# KiCad board gk-pcbv3.kicad_pcb (continued)
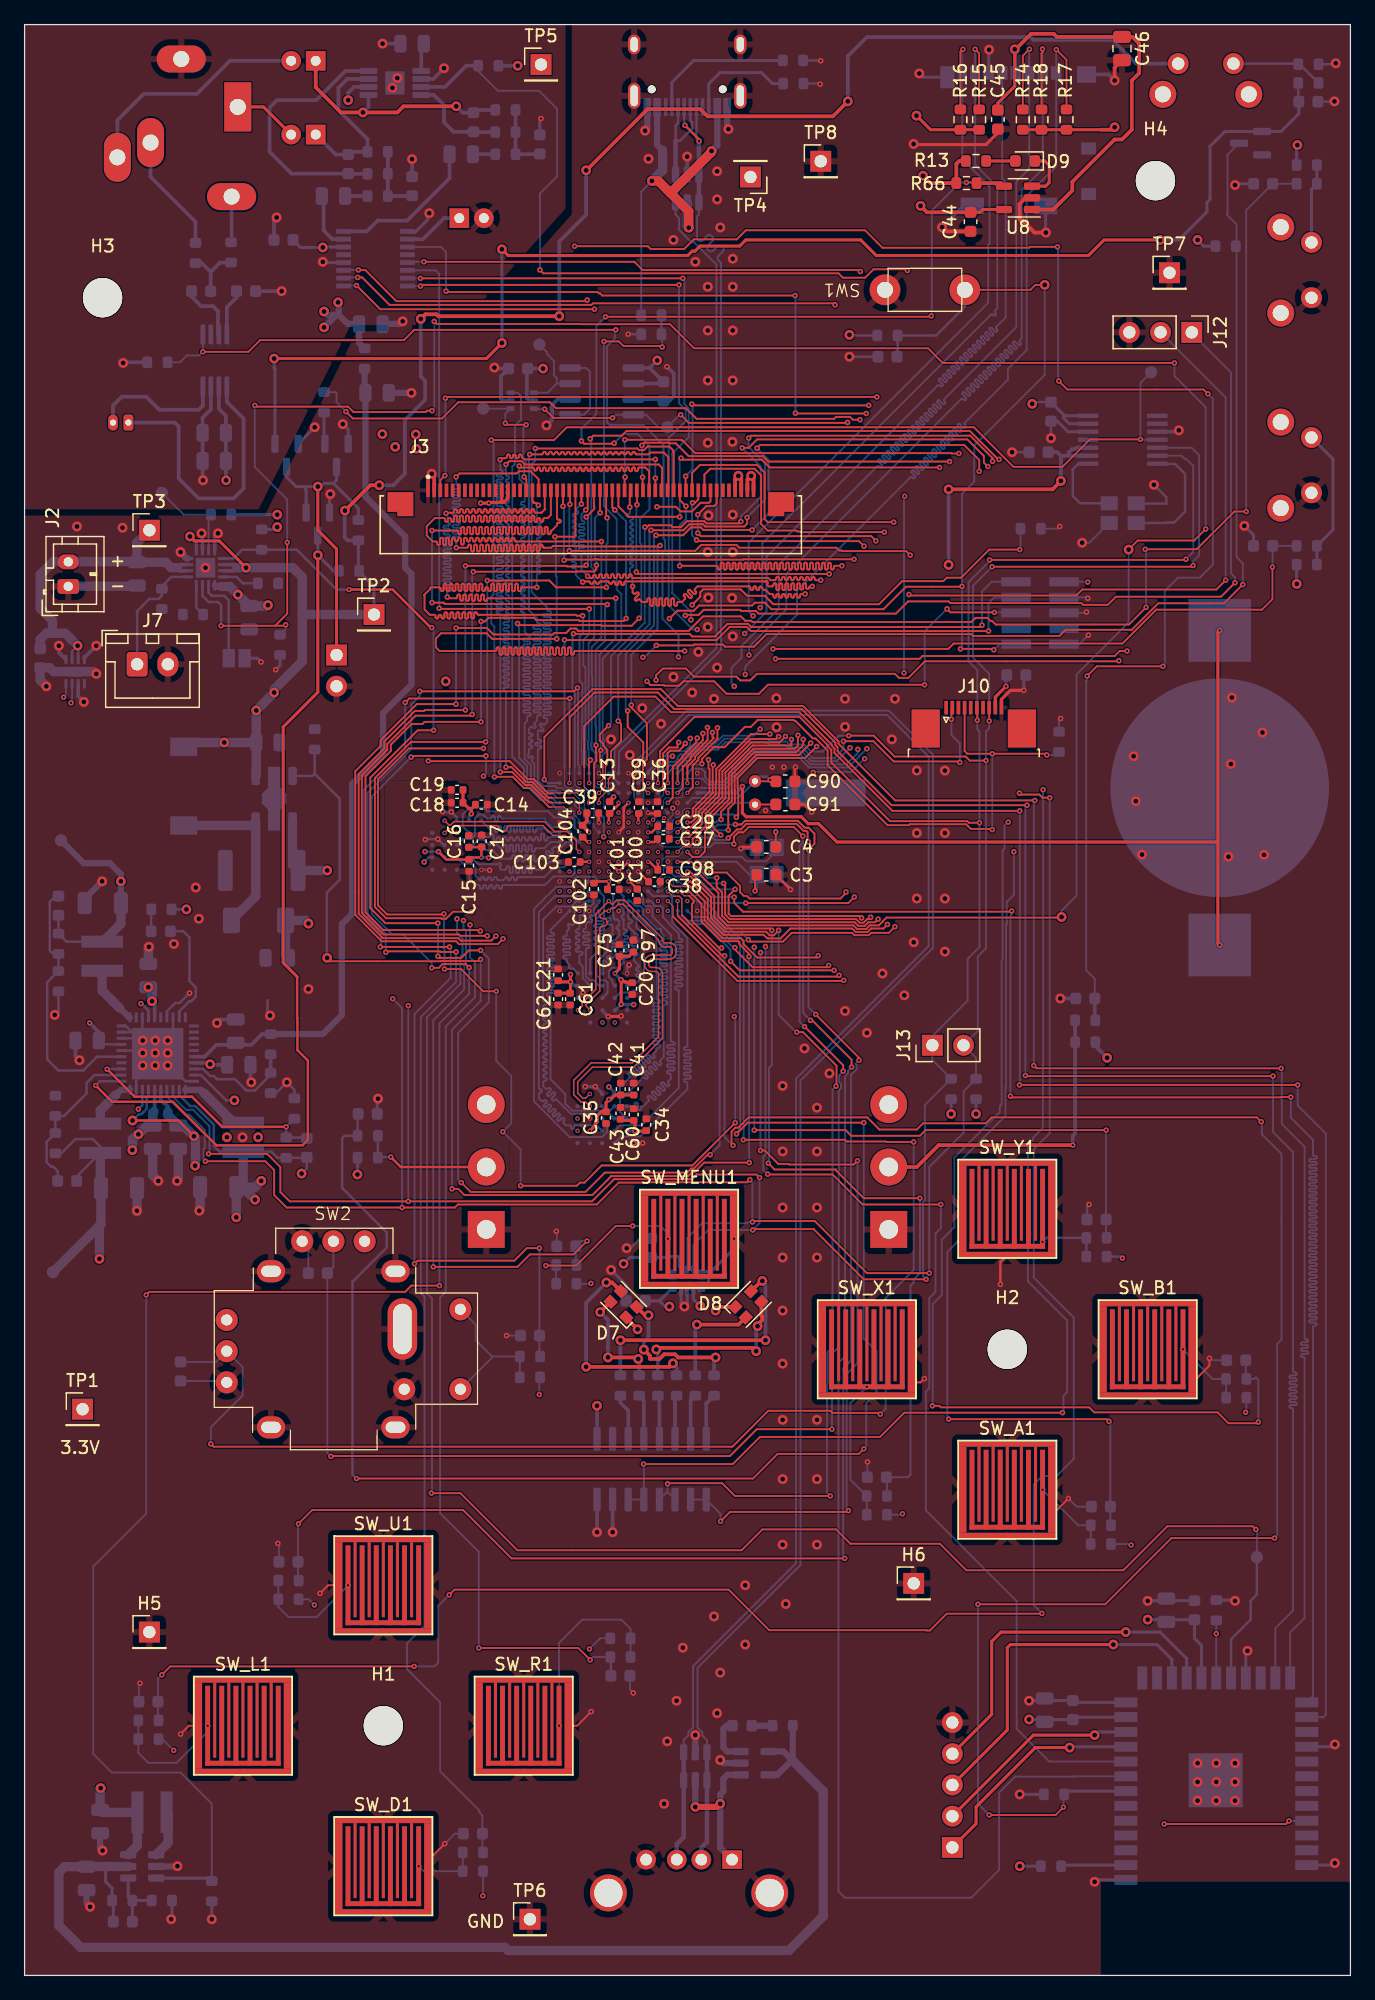
[diagram p0: board, top side]
## Routing (per net, layer and track width the routed paths; a pad name or vN(x,y) marks a point on that pad's centre or on a via; arc(x,y) is an arc through that point) (continued)
VBAT: length 71.5
  Top w0.254: 97.15,92.35 97.15,84 v1(97.31,83.85) ; 97.15,92.35 97.15,109.29 v1(97.31,109.45) ; 97.15,92.35 97.03,92.23 66.14,92.23 64.64,93.73 63.8,93.73 63.25,94.28 58.75,94.28 58.45,94.59 v1(58.45,96.75)
  Bottom w0.254: v1(58.45,96.75) 57.92,96.23 U4.C1
VBAT_STAT: length 124.2
  Top w0.09: v3(53.17,88.23) 53.33,88.23 53.71,87.85 54.12,87.85
  Top w0.152: v1(35.56,64.52) 36.32,63.75 45.67,63.75 47.24,65.33 53.95,65.33 54.28,65.66 54.49,65.66 55.61,66.78 v1(55.82,66.78) ; v1(33.66,82.93) 33.78,82.8 35.56,82.8 36.17,83.41 v1(37.13,83.41) ; v1(33.64,85.63) 29.38,85.63 28.14,86.87 28.14,97.46 32,101.32 v1(33.3,101.32) ; v1(56.74,83.62) 56.54,83.62 54.35,85.81 54.35,87.19 54.47,87.31 54.47,87.49 54.12,87.85
  Top w0.203: v1(33.15,109.68) 33.07,109.68 29.97,112.78 v1(26.42,112.78)
  Bottom w0.152: v1(33.66,82.93) 33.66,85.62 v1(33.64,85.63) ; v1(55.82,66.78) 56.59,67.55 56.59,83.46 v1(56.74,83.62) ; v1(33.15,109.68) 33.3,109.52 v1(33.3,101.32) ; v1(37.13,83.41) 37.8,82.75 37.8,79.2 35.31,76.71 35.31,64.77 v1(35.56,64.52)
  Bottom w0.203: v1(26.42,112.78) 25.4,112.78 22.16,116.02 17.72,116.02 17.01,115.3 U21.9
VCC: length 164.7
  Top w0.203: v3(51.57,90.63) 51.57,89.97 C98.1 50.89,90.63 v3(50.77,90.63) ; v3(48.37,95.43) 48.37,95.29 C13.1 47.57,94.49 v3(47.57,93.83) ; v3(50.77,93.03) 51.07,93.03 C29.1 ; v3(49.97,93.83) 49.97,94.51 C99.1 ; C37.1 51.27,92.23 v3(50.77,92.23) ; v3(47.57,90.63) v3(48.37,89.83) v3(49.17,90.63)
  Top w0.25: R15.1 R16.1 73.77,150.19 v2(72.62,151.34) ; 87.67,150.19 R17.1 R18.1 R14.1
  Top w0.254: J10.9 79.04,104.03 v1(79.91,104.9) ; v1(37.13,119.81) v1(37.8,119.81) 37.85,119.86 39.01,119.86 ; U8.5 78.02,143.7 77.8,143.48 C44.1 ; J3.14 39.35,120.2 39.01,119.86 ; 39.01,119.86 38.85,120.03 J3.13 ; 76.52,147.6 76.33,147.8
  Top w0.305: v2(88.75,150.4) 88.54,150.19 87.67,150.19 ; v2(56.26,54.1) 56.56,54.4 D8.1 ; v2(49.91,52.58) 48.98,53.51 D7.1 ; v2(73.15,146.45) 73.75,145.85 R66.1 75.86,147.43 76.09,147.65 R13.1 ; v2(72.95,144) 73.47,143.48 C44.1
  In2.Cu w0.203: v3(49.17,90.63) 48.73,91.06 48.73,91.73 48.64,91.82 47.97,91.82 v3(47.57,92.23) ; v3(47.57,93.83) v3(48.37,93.83)
  Bottom w0.152: v1(90.09,35.03) 90.02,35.1 R28.1 ; v1(12.14,18.31) 11.23,19.23 R40.1 ; R50.1 46.09,56.29 v1(46.11,56.31) ; R81.2 41.91,48.61 v1(41.91,47.27) ; R30.1 99.48,45.88 v1(99.42,45.82) ; R32.1 71.4,37.49 v1(71.48,37.57) ; v1(37.31,6.48) 37.32,6.49 R38.1 ; J8.1 86.54,113.41 v1(86.56,113.39) ; R42.1 46.86,27.43 v1(46,26.57) ; R36.1 23.14,30.61 v1(23.6,30.15)
  Bottom w0.203: C8.1 82.18,128.03 v2(82.04,127.89) ; v2(17.09,71.2) 16.43,71.2 14.37,73.26 U26.9 ; v2(22.56,65.25) 22.98,65.68 C78.1 22.94,66.53 R89.1 20.59,66.53 20.1,67.02 L6.1 15.88,67.02 15.41,67.5 15.41,69.22 13.89,70.75 13.48,70.75 12.59,71.64 U26.12 ; R34.1 89.26,58.5 v1(89.38,58.37) ; U26.34 10.09,78.51 9.52,79.08 v1(9.47,79.08) ; U26.18 9.59,70.82 v1(9.26,70.49) ; v2(67.16,133.5) 67.21,133.45 R9.1
  Bottom w0.25: R46.1 103.57,113.25 v2(103.58,113.23) ; v2(95.5,141.22) 96.01,140.72 R67.1 ; 51.69,54.89 C59.1 ; 51.69,54.89 52.15,54.43 v2(52.5,54.43) ; 51.69,54.89 52.59,55.79 U9.8 ; R44.1 103.57,148.88 v2(103.63,148.95) ; U9.5 54.45,55.03 v2(55.01,54.47) ; R77.2 20.38,117.67 v2(20.57,117.86) ; v2(27.1,65.18) 27.11,65.19 R68.1 ; U9.12 53.45,57.57 53.31,57.7 53.31,58.39 53.21,58.5 52.3,58.5 52.23,58.43 C58.1 49.29,58.43 v2(48.77,57.91) ; R2.2 v2(20.57,118.87) ; R23.1 v2(75.44,70.1) ; R24.1 v2(77.47,70.1)
  Bottom w0.254: U25.12 85.55,21.02 C40.1 81.8,20.81 v2(81.79,20.83) ; 84.58,127.01 84.68,126.92 U19.7 ; 84.58,127.01 C8.1 ; 84.58,127.01 84.58,126.75 85.06,126.27 U19.6 ; v2(91.44,28.96) 91.45,28.94 C33.1 95.25,27.43 95.82,26.86 U25.18 ; C32.1 79.91,105.75 v1(79.91,104.9) ; 82.74,8.89 v2(81.03,8.89)
  Bottom w0.305: 50.89,130.81 C5.1 51.88,129.54 U3.2 ; 50.89,130.81 50.9,130.81 v2(51.51,131.42) ; 50.89,130.81 U3.1 ; v2(88.14,74.68) 87.18,75.63 R84.1 ; v2(42.21,130.76) C6.1 40.89,130.7 40.89,128.37 41.12,128.14 U13.2 ; 46.61,44.75 v2(46.61,46.36)
  Bottom w0.762: C24.1 17.75,64.14 v2(18.76,63.13) ; C24.1 18.76,64.14 v2(19.27,64.65) ; C24.1 v2(17.24,61.69) ; C24.1 17.8,64.7 L6.1
  vias: v2(16.48,68.21) v2(19.02,68.21) v3(49.17,93.83) v3(50.77,91.43)
VDDA: length 24.6
  Bottom w0.25: C47.1 22.47,140.61 v2(24.28,140.61) 24.32,140.65 25.97,140.65
  Bottom w0.305: 15.82,129.31 15.82,127.49 16.39,126.91 C80.1 C81.1 16.39,121.68 v2(16.41,121.67) ; R71.2 v2(40.15,155.4) ; v2(26.35,152.6) 26.35,153.2 26.83,153.68 U14.6
  Bottom w0.508: v2(24.38,135.4) 24.66,135.12 25.58,135.12 ; 25.58,135.12 25.4,135.12 v2(24.38,134.11) ; 25.58,135.12 26.31,134.4 27.43,134.4 ; 25.58,135.12 25.58,136.09 v2(25.53,136.14) ; C23.1 27.24,132.84 FB1.2
VDDA_L: length 70
  Bottom w0.305: U26.6 14.65,74.76 15.61,75.72 18.46,75.72 19.33,76.6 R55.1
  Bottom w0.508: 27.69,130.75 27.69,128.84 C22.1 27.75,120.33 30.99,117.09 30.99,114.55 31.5,114.05 31.5,105.03 29.18,102.72 29.18,99.47 26.67,96.95 26.67,86.39 25.83,85.55 25.83,78.16 24.28,76.6 R55.1
/MCUA/UART8_RX: length 79.4
  Top w0.152: v1(72.01,112.37) 72.08,112.29 85.62,112.29 86.11,112.78 97.03,112.78 v1(97.79,113.54)
  In3.Cu w0.152: v1(72.01,112.37) 71.83,112.2 71.83,111.07 67.59,106.83 67.59,100.76 67.21,100.38 v1(67.21,99.9)
  Bottom w0.152: v1(67.21,99.9) 66.12,98.81 64.06,98.81 63.27,99.59 62.97,99.59 62.9,99.66 58.9,99.66 57.62,98.38 57.62,97.82 56.93,97.13 55.79,97.13 55.4,97.52 55.4,97.94 55.14,98.2 54.34,98.2 U4.A2 ; J12.2 97.79,128.41 v1(97.79,113.54)
/MCUA/UART8_TX: length 86.3
  Top w0.152: v1(98.55,113.33) 97.41,112.19 88.85,112.19 88.19,111.53 86.18,111.53 86.04,111.67 75.37,111.67 75.23,111.81 71.93,111.81 70.94,110.82 59.77,110.82 59.55,111.03 58.38,111.03 58.37,111.02 58.27,111.13 55.29,111.13 54.88,110.72 53.84,110.72 v1(53.8,110.67) ; v3(53.17,96.23) 53.59,96.65 53.59,98.41 53.66,98.41 54.23,98.98 54.23,99.15 55.61,100.54 55.61,101.54 v1(55.6,101.55)
  In3.Cu w0.152: v1(53.8,110.67) 53.8,109.22 54,109.02 54,108.92 54.28,108.64 55.09,108.64 55.6,108.13 55.6,107.19 55.4,106.98 55.4,105.89 56.65,104.64 56.65,104.62 57.09,104.19 57.09,103.11 55.6,101.62 v1(55.6,101.55)
  Bottom w0.152: J12.1 95.03,133.64 98.22,130.45 98.22,114.1 98.55,113.77 v1(98.55,113.33)
/Memory/SD_VCC: length 37.3
  Top w0.254: 80.62,156.94 v2(80.62,156.74) 80.62,153.74 79.24,152.37 C45.1
  Top w0.305: 84.27,144.22 85.3,145.25 85.3,145.96 88.75,149.4 89.35,149.4 90.15,150.2 90.15,154.2 90.75,154.8 90.75,157.2 90.2,157.75 C46.1 84.04,157.75 83.79,158 81.95,158 80.69,156.74 v2(80.62,156.74) ; 84.4,144.34 83.76,143.7 U8.1
  Bottom w0.254: J4.4 80.7,156.66 v2(80.62,156.74)
BAT_SYSOFF: length 202.7
  Top w0.152: v1(33.35,134.59) 33.56,134.39 45.26,134.39 45.29,134.37 52.55,134.37 54.51,132.41 73.56,132.41 74.75,131.22 v1(93.62,131.22) ; v1(96.16,117.7) 95.22,116.76 90.63,116.76 v2(89.89,116.03) ; v1(18.75,127.76) 18.85,127.66 26.34,127.66 26.77,127.23 32.66,127.23 32.77,127.33 v1(33.17,127.33) ; v3(53.17,90.63) 54.28,90.63 54.97,89.94 54.97,89.61 56.49,88.09 56.49,86.17 57.21,85.45 67.48,85.45 67.77,85.16 68.54,85.16 68.83,85.45 69.56,85.45 69.9,85.79 69.9,85.8 70.18,86.08 84.38,86.08 v2(84.43,86.13) ; v1(21.39,116.61) 21.39,110.82 20.4,109.83 ; v1(21.26,109.91) 21.18,109.83 20.4,109.83 ; 20.4,109.83 v1(16,109.83)
  Bottom w0.152: v1(33.17,127.33) 33.35,127.51 v1(33.35,134.59) ; v1(21.39,116.61) 21.39,120.09 18.75,122.73 v1(18.75,127.76) ; v1(93.62,131.22) 93.62,130.15 96.16,127.61 v1(96.16,117.7) ; v2(89.89,116.03) 89.89,110.11 85.65,105.87 85.65,87.86 84.43,86.64 v2(84.43,86.13) ; R1.2 21.26,109.56 v1(21.26,109.91)
  Bottom w0.203: U21.15 14.48,112.26 14.99,111.76 15.75,111.76 16,111.51 v1(16,109.83)
BOOST_EN: length 159
  Top w0.152: v1(31.47,99.14) 31.57,99.24 v1(37.57,99.24) ; v1(33.15,81.99) 33.72,81.99 34.02,82.29 35.92,82.29 v1(36.19,82.02) ; v1(9.91,55.37) 10.16,55.63 30.99,55.63 31.5,56.13 v1(33.78,56.13)
  In3.Cu w0.152: v1(47.14,92.66) 46.99,92.66 46.33,93.32 46.33,93.52 45.62,94.23 43.92,94.23 43.54,94.62 43.41,94.62 43.08,94.95 42.37,94.95 40.08,97.23 38.89,97.23 38.53,96.88 38.07,96.88 v1(37.36,97.59)
  Bottom w0.152: 15.24,7.68 15.24,13.97 12.7,16.51 7.11,16.51 5.59,18.03 5.59,33.27 9.91,37.59 v1(9.91,55.37) ; v1(37.36,97.59) 37.57,97.79 v1(37.57,99.24) ; v1(36.19,82.02) 36.19,79.88 33.78,77.47 v1(33.78,56.13) ; U4.E11 47.17,94.23 47.17,92.68 v1(47.14,92.66) ; v1(33.15,81.99) 33.15,82.4 30.84,84.71 29.95,84.71 28.27,86.39 28.27,95.94 v1(31.47,99.14)
  Bottom w0.254: 15.24,7.68 15,7.92 U20.3
BTN_MCU_A: length 163.8
  Top w0.09: 47.45,98.63 47.45,98.53 47.29,98.37 47.29,96.75 v3(46.77,96.23)
  Top w0.152: v1(50.52,117.86) 50.69,117.86 50.84,118 52.61,118 52.76,117.86 53.44,117.86 53.92,118.34 55.35,118.34 55.52,118.16 58.17,118.16 v1(58.32,118.31) ; v1(47.55,101.7) 46.84,100.99 46.84,100.51 47.12,100.22 47.12,100.06 47.45,99.73 47.45,98.63 ; v1(78.44,122.78) 78.11,123.11 78.11,123.65 76.76,124.99 59.64,124.99 58.95,124.31 v1(58.42,124.31) ; v1(75.23,45.26) 88.11,45.26 v1(88.29,45.09)
  In3.Cu w0.152: v1(78.44,122.78) 78.44,116.41 79.93,114.91 79.93,107.04 79.12,106.22 79.12,103.1 80.37,101.85 80.37,99.77 80.49,99.65 80.49,91.49 v1(80.54,91.44)
  Bottom w0.152: v1(88.29,45.09) 88.4,44.97 C63.1 88.4,36.68 R29.2 ; v1(75.23,45.26) 75.13,45.36 75.13,58.88 76.45,60.2 76.45,66.55 79.86,69.96 79.86,72.27 79.91,72.31 79.91,85.47 79.96,85.52 79.96,85.7 79.96,85.7 79.96,87.35 80.54,87.93 v1(80.54,91.44) ; v1(50.52,117.86) 50.52,117.57 50.5,117.55 50.5,110.08 47.75,107.34 47.75,101.9 v1(47.55,101.7) ; v1(58.42,124.31) 59.94,122.78 59.94,120.33 58.32,118.7 v1(58.32,118.31)
BTN_MCU_B: length 172.4
  Top w0.152: v3(49.57,96.58) 49.57,97.52 49.75,97.7 49.75,98.49 50.37,99.11 50.37,100.33 49.1,101.6 v1(49.1,102.9) ; v1(73.91,46.36) 74.47,46.36 74.6,46.23 86.69,46.23 87.1,45.82 97.13,45.82 98.02,44.93 100.36,44.93 v1(100.46,45.03) ; v1(77.72,122.4) 77.72,123.32 76.5,124.54 59.89,124.54 v1(59.64,124.28) ; v1(51.41,117.2) 53.62,117.2 54.25,117.83 55.07,117.83 55.27,117.63 v1(59.23,117.63)
  In3.Cu w0.152: v1(77.72,122.4) 77.72,110.62 77.42,110.31 77.42,107.67 77.9,107.19 77.9,103.94 80.09,101.75 v1(80.09,93.85)
  Bottom w0.09: U4.D7 49.62,95.77 49.62,96
  Bottom w0.152: v1(100.46,45.03) 100.46,48.46 100.25,48.67 100.13,48.54 R31.2 99.43,48.59 C64.1 ; 49.62,96 49.62,96.53 v3(49.57,96.58) ; v1(80.09,93.85) 79.78,93.55 79.78,91.69 79.63,91.54 79.63,82.68 79.55,82.6 79.55,70.89 79.43,70.76 79.43,70.64 79.4,70.61 79.4,70.26 75.69,66.55 75.69,60.88 74.68,59.87 74.68,55.37 73.94,54.64 73.94,46.38 v1(73.91,46.36) ; v1(59.23,117.63) 60.58,118.97 60.58,123.34 v1(59.64,124.28) ; v1(51.41,117.2) 51.38,117.2 51.26,117.07 51.26,109.88 48.95,107.57 48.95,103.06 v1(49.1,102.9)
BTN_MCU_D: length 127.1
  Top w0.152: v1(35.13,83.29) 33.87,83.29 33.82,83.33 29.49,83.33 v1(29.41,83.26) ; v1(45.01,104.78) 44.73,104.5 v1(32.18,104.5)
  Bottom w0.152: v1(29.41,83.26) 29.41,84.74 27.94,86.21 27.94,96.24 31.5,99.8 31.5,103.43 32.18,104.11 v1(32.18,104.5) ; U4.A13 45.17,98.46 45.06,98.57 45.06,104.73 v1(45.01,104.78) ; R39.2 37.27,10.06 C68.1 37.27,13.02 37.03,13.26 37.03,13.41 33.83,16.61 33.83,22.23 31.14,24.92 31.14,27.03 32.56,28.45 32.56,55.25 32.26,55.55 32.26,77.98 35.13,80.85 v1(35.13,83.29)
BTN_MCU_JOY: length 93.8
  Top w0.152: v1(28.96,83.69) v1(34.59,83.69) ; v1(30.99,103.58) 31.32,103.91 v1(44.39,103.91) ; v1(31.75,57.91) 32,58.17 39.88,58.17 40.89,59.18 v1(41.92,59.18)
  Bottom w0.152: v1(28.96,83.69) 29.01,83.74 29.01,84.79 27.58,86.21 27.58,96.44 30.99,99.85 v1(30.99,103.58) ; v1(34.59,83.69) 34.69,83.6 34.69,81.17 31.75,78.23 v1(31.75,57.91) ; R80.2 41.92,50.42 C94.1 v1(41.92,59.18) ; U4.A14 44.37,103.88 v1(44.39,103.91)
BTN_MCU_L: length 246.4
  Top w0.09: v3(46.77,95.43) 46.77,95.73 47.54,96.51 47.54,97.36
  Top w0.152: v1(11.18,24.46) 11.86,25.15 v1(31.72,25.15) ; v1(83.46,95.83) 82.88,95.83 82.62,96.09 81.12,96.09 v1(81,96.22) ; v1(58.95,125.1) 59.16,125.3 76.98,125.3 78.81,123.47 v1(78.81,123.21) ; 47.54,97.36 47.55,97.36 47.88,97.69 47.88,98.73 47.75,98.86 47.75,99.62 48.56,100.43 48.56,101.84 v1(48.33,102.07) ; v1(58.83,118.64) 58.83,118.14 58.6,117.91 55.42,117.91 55.24,118.08 54.13,118.08 53.64,117.6 v1(51,117.6) ; v1(34.57,30.96) 35,31.39 57.33,31.39 60.63,28.09 73.43,28.09 73.46,28.07 73.71,28.07 75.08,29.44 82.8,29.44 v1(82.83,29.46)
  In3.Cu w0.152: v1(81,96.22) 81,101.68 79.38,103.3 79.38,105.89 80.34,106.86 80.34,115.01 78.84,116.51 78.84,123.18 v1(78.81,123.21)
  Bottom w0.152: R41.2 10.86,20.8 C69.1 10.86,24.14 v1(11.18,24.46) ; v1(51,117.6) 51,117.55 50.88,117.42 50.88,109.96 48.33,107.41 v1(48.33,102.07) ; v1(83.46,95.83) 83.46,68.53 82.17,67.23 82.17,56.79 85.42,53.54 85.42,42.04 84.02,40.64 82.85,40.64 82.17,39.95 82.17,30.12 v1(82.83,29.46) ; v1(34.57,30.96) 33.68,30.07 33.68,25.45 33.38,25.15 v1(31.72,25.15) ; v1(58.95,125.1) 58.95,124.4 60.27,123.08 60.27,120.09 v1(58.83,118.64)
BTN_MCU_LB: length 135.2
  Top w0.152: v1(57.96,68.48) 58.88,69.39 v1(68.33,69.39) ; v1(68.33,42.85) 67.92,42.44 61.32,42.44 59.31,40.44 v1(27.03,40.44)
  Bottom w0.152: v1(68.33,69.39) 68.33,51.82 69.37,50.77 69.37,47.42 68.53,46.58 68.53,43.05 v1(68.33,42.85) ; U4.R2 54.46,86.13 55.58,86.13 57.35,84.35 57.99,84.35 58.24,84.1 58.24,74.42 58.26,74.4 58.26,68.88 58.12,68.74 58.12,68.63 v1(57.96,68.48)
  Bottom w0.203: v1(27.03,40.44) 26.7,40.77 26.7,56.44 29.49,59.23 29.49,60.45 25.86,64.08 25.86,68.12 26.06,68.33 R83.2 27.11,70.05 C84.1
BTN_MCU_MENU: length 55.7
  Top w0.152: v1(33.27,57.66) 40.13,57.66 41.15,58.67 44.7,58.67 v1(45.8,59.77)
  In3.Cu w0.152: v3(44.37,89.83) 43.54,89.83 39.61,85.9 35.8,85.9 v1(35.74,85.84)
  Bottom w0.152: R51.2 44.88,57.86 C74.1 45.31,59.77 v1(45.8,59.77) ; v1(33.27,57.66) 33.27,77.72 35.79,80.24 35.79,81.51 35.84,81.56 35.79,81.61 35.79,82.3 35.94,82.45 35.94,84.99 35.74,85.19 v1(35.74,85.84)
BTN_MCU_ONOFF: length 108.1
  Top w0.152: v1(51.44,108.23) 54.46,108.23 54.53,108.31 56.85,108.31 57.02,108.13 59.39,108.13 60.4,109.14 77.06,109.14 77.21,109 84.26,109 84.76,109.5 90.14,109.5 92.3,111.66 97.66,111.66 v1(99.19,113.18)
  In3.Cu w0.09: 53.59,94.89 53.59,94.49 53.29,94.18 v3(52.07,94.18)
  In3.Cu w0.152: 53.59,94.89 53.59,95.61 53.37,95.83 50.52,95.83 50.1,96.25 50.18,96.33 50.18,96.83 49.81,97.2 49.81,98.45 50.8,99.44 50.8,102.11 51.28,102.59 51.28,103.6 50.02,104.87 50.02,105.77 50.04,105.79 50.04,106.96 v1(50.34,107.26)
  Bottom w0.09: U4.F5 51.71,93.83 v3(52.07,94.18)
  Bottom w0.152: Q5.3 97.94,148.16 97.94,143.46 97.92,143.43 97.92,143.26 98.68,142.49 98.68,115.42 99.19,114.91 v1(99.19,113.18) ; v1(50.34,107.26) 50.47,107.26 v1(51.44,108.23)
BTN_MCU_R: length 84.7
  Top w0.152: v1(46.05,25.68) 45.08,26.64 v1(36.98,26.64)
  In3.Cu w0.09: v3(45.17,88.23) 44.73,88.66 43.43,88.66
  In3.Cu w0.152: v1(36.27,85.5) 36.35,85.42 37.74,85.42 37.82,85.5 40.28,85.5 43.43,88.65 43.43,88.66
  Bottom w0.152: v1(46.05,25.68) 46.28,25.91 R43.2 ; v1(36.27,85.5) 36.27,82.83 36.68,82.42 36.68,79.6 34.29,77.22 34.29,55.63 33.83,55.17 33.83,37.62 36.98,34.47 v1(36.98,26.64)
  Bottom w0.203: R43.2 47.74,25.86 C70.1
BTN_MCU_RB: length 192.8
  Top w0.152: 84.15,140.72 v1(84.1,140.67) 81.86,140.67 81.79,140.59 69.85,140.59 68.43,142.01 58.72,142.01 57.99,141.27 54.48,141.27 53.7,140.49 50.98,140.49 50.75,140.72 v1(44.78,140.72) ; v1(84.2,129.74) 84.89,129.06 95.99,129.06 v1(96.34,128.7) ; v1(86.51,105.74) 87.3,106.53 v1(92.68,106.53)
  In3.Cu w0.152: v3(54.77,97.03) 54.77,93.32 55.24,92.84 55.24,92.08 55.02,91.85 54.48,91.85 54.38,91.74 54.38,91.24 54.18,91.03 53.67,91.03 53.52,90.88 53.52,89.64 53.26,89.38 49.05,89.38 48.77,89.66 48.77,90.04 48.62,90.2 48.51,90.2 48.49,90.22 48.16,90.22 47.93,90.45 47.93,95.1 47.22,95.81 47.22,98.58 45.8,100 45.8,103.38 46.81,104.39 46.81,111.96 46.58,112.19 46.58,113.28 47.62,114.33 47.62,117.22 46.25,118.59 46.25,119.58 44.81,121.02 44.81,140.69 v1(44.78,140.72)
  Bottom w0.152: C105.1 87.14,81.09 86.44,81.79 86.44,105.36 86.51,105.44 v1(86.51,105.74) ; v1(92.68,106.53) 92.84,106.68 92.84,112.67 93.9,113.74 95.68,113.74 96.75,114.81 96.75,128.3 v1(96.34,128.7) ; 84.15,140.72 84.15,129.79 v1(84.2,129.74)
  Bottom w0.305: R85.2 87.14,77.77 C105.1
BTN_MCU_U: length 126.3
  Top w0.152: v1(22.3,36.75) 23.42,37.87 35.71,37.87 39.65,33.93 v1(66.78,33.93) ; v1(63.83,91.59) 64.31,92.08 64.31,92.91 63.83,93.4 63.53,93.4 62.97,93.95 58.65,93.95 58.36,93.66 v1(57.88,93.66) ; v1(64.41,78.21) 67.94,74.68 v1(67.94,74.47)
  Bottom w0.09: 54.93,94.17 54.91,94.2 53.79,94.2 53.61,94.02 53.61,93.66 53.36,93.41 53.05,93.41 52.67,93.03 U4.G4
  Bottom w0.152: v1(67.94,74.47) 67.65,74.17 67.74,74.08 67.74,73.75 67.28,73.29 67.28,50.04 66.65,49.4 66.65,34.06 v1(66.78,33.93) ; v1(63.83,91.59) 63.83,78.79 v1(64.41,78.21) ; R37.2 22.26,32.18 C67.1 22.26,36.72 v1(22.3,36.75) ; v1(57.88,93.66) 57.86,93.65 56.47,93.65 56.31,93.48 56.1,93.48 55.41,94.17 54.93,94.17
BTN_MCU_VOLDOWN: length 65.7
  Top w0.152: v1(101.6,114.6) 101.6,111.99 100.75,111.14 92.14,111.14 89.38,108.38 75.64,108.38 75.21,107.95 v1(60.93,107.95)
  In3.Cu w0.152: v1(59.89,101.42) 59.97,101.5 59.97,104.93 60.3,105.26 60.3,107.32 v1(60.93,107.95)
  Bottom w0.152: R47.2 C72.1 101.61,114.62 v1(101.6,114.6) ; U4.A5 51.57,98.06 51.68,98.17 51.82,98.17 52.32,98.68 52.37,98.68 52.45,98.76 52.68,98.76 52.7,98.73 52.81,98.73 52.83,98.76 52.93,98.76 53.19,99.01 53.19,99.16 53.39,99.36 53.87,99.36 54.76,100.25 56.24,100.25 56.87,100.89 59.36,100.89 v1(59.89,101.42)
BTN_MCU_VOLUP: length 150.6
  Top w0.152: v1(99.47,119.13) 98.5,119.13 95.43,116.05 v1(91.24,116.05) ; v1(35.13,103.45) 31.93,103.45 28.98,100.51 28.98,100.05 26.92,97.99 26.92,86.31 29.07,84.16 35.13,84.16 35.36,83.92 38.53,83.92 v1(38.96,84.35) ; v1(35.13,109.65) 37.64,109.65 38.18,109.12 43.03,109.12 43.15,109.25 44.09,109.25 44.45,109.6 44.91,109.6 45.1,109.41 54.06,109.41 55.24,110.59 58.32,110.59 58.67,110.24 59.15,110.24 59.26,110.13 77.09,110.13 77.42,110.46 78.41,110.46 78.66,110.21 78.79,110.21 79.07,109.93 89.92,109.93 v1(91.31,111.33)
  In3.Cu w0.09: 43.38,87.06 44,87.06 v3(44.37,87.43)
  In3.Cu w0.152: 43.38,87.06 40.73,84.4 39.01,84.4 v1(38.96,84.35)
  Bottom w0.152: v1(91.24,116.05) 91.31,115.98 v1(91.31,111.33) ; R45.2 C71.1 99.47,143.65 v1(99.47,119.13) ; v1(35.13,103.45) v1(35.13,109.65)
BTN_MCU_X: length 68.9
  Top w0.152: v1(60.83,85.04) 60.68,85.19 57.11,85.19 56.15,86.15 56.15,87.85 54.17,89.83 v3(53.97,89.83) ; v1(60.55,66.09) 61.06,65.58 66.04,65.58 66.04,65.53 68.33,63.25 v1(72.9,63.25)
  Bottom w0.152: R33.2 70.22,40.49 C65.1 71.91,40.54 72.14,40.77 72.14,56.13 72.39,56.39 72.39,56.64 72.9,57.15 v1(72.9,63.25) ; v1(60.55,66.09) 60.6,66.14 60.6,73.84 60.83,74.07 v1(60.83,85.04)
BTN_MCU_Y: length 62.6
  Top w0.152: v1(59.41,68.78) 66.85,68.78 67.31,68.33 72.9,68.33 73.36,68.78 v1(88.06,68.78)
  In3.Cu w0.09: 52.32,85.53 51.57,86.28 v3(51.57,86.63)
  In3.Cu w0.152: 52.32,85.53 52.79,85.06 59.11,85.06 59.41,84.76 v1(59.41,83.67)
  Bottom w0.152: v1(88.06,68.78) 88.05,68.77 C66.1 88.05,60.07 R35.2 ; v1(59.41,83.67) v1(59.41,68.78)
BTNLED_B: length 184.4
  Top w0.09: v3(45.97,97.03) 45.97,98.28
  Top w0.152: v1(46.05,125.04) 46.3,125.3 48.63,125.3 49.01,125.68 76.96,125.68 79.28,123.36 v1(79.34,123.36) ; v1(46.07,98.9) 45.97,98.8 45.97,98.28 ; v1(84.51,45.8) 71.63,45.8 69.65,43.81 59.87,43.81 57.66,41.61 v1(50.39,41.61)
  In3.Cu w0.152: v1(82.93,96.49) 82.83,96.59 82.83,100.28 80.52,102.59 80.52,104.67 80.87,105.03 80.87,114.88 80.8,114.96 80.8,115.14 79.34,116.59 v1(79.34,123.36)
  Bottom w0.152: U11.6 U11.5 50.42,41.58 v1(50.39,41.61) ; v1(82.93,96.49) 82.93,73.99 82.91,73.96 82.91,68.96 82.09,68.15 82.09,68 81.69,67.59 81.69,56.49 84.89,53.29 84.89,47.47 84.59,47.17 84.59,45.88 v1(84.51,45.8) ; v1(46.07,98.9) 45.92,99.05 45.92,99.8 45.88,99.84 45.88,100.38 45.92,100.42 45.92,108.41 46.38,108.86 46.38,114.37 46.13,114.61 46.13,124.96 v1(46.05,125.04)
BTNLED_G: length 76.4
  Top w0.09: 54.22,89.42 53.57,89.42 v3(53.17,89.83)
  Top w0.152: v1(66.07,72.36) 66.11,72.41 66.11,74.02 63.37,76.76 v1(62.86,76.76) ; v1(52.35,40.01) 52.4,40.06 56.79,40.06 57.84,39.01 v1(65.61,39.01) ; 54.22,89.42 55.9,87.74 55.9,86.04 57,84.94 60.37,84.94 60.67,84.64 61,84.64 61.39,85.03 v1(61.39,85.04)
  Bottom w0.152: 52.35,39.33 52.3,39.33 U11.4 ; 52.35,39.33 U11.3 ; 52.35,39.33 v1(52.35,40.01) ; v1(62.86,76.76) 62.81,76.76 61.39,78.18 v1(61.39,85.04) ; v1(65.61,39.01) 65.33,39.29 65.33,48.16 65.38,48.21 65.38,50.7 65.79,51.1 65.79,72.09 v1(66.07,72.36)
BTNLED_R: length 79.8
  Top w0.152: v1(59.92,67.13) 60.27,67.13 61.37,66.04 62.23,66.04 62.28,65.99 67.51,65.99 v1(67.82,66.29) ; v1(67.08,37.82) 66.98,37.72 57.43,37.72 v1(56.67,36.96)
  In3.Cu w0.09: 52.24,86.12 51.99,86.37 51.99,87.01 v3(51.57,87.43)
  In3.Cu w0.152: 52.24,86.12 52.34,86.12 53.14,85.32 53.77,85.32 53.42,85.32 59.31,85.32 59.92,84.71 v1(59.92,83.24)
  Bottom w0.152: v1(59.92,67.13) 59.92,67.14 v1(59.92,83.24) ; v1(67.82,66.29) 67.82,49.83 66.93,48.95 66.93,37.97 v1(67.08,37.82) ; U11.2 55.5,38.72 56.67,37.56 v1(56.67,36.96)
CTP_INT: length 31.8
  Top w0.152: v1(66.67,100.44) 69.11,100.44 70.76,98.78 76.11,98.78 76.11,98.74 v1(76.15,98.7) ; v1(75.46,102.21) 75.46,103.09 J10.2
  Bottom w0.152: v1(76.15,98.7) 76.15,100.25 75.46,100.94 v1(75.46,102.21) ; v1(66.67,100.44) 66.67,99.82 65.91,99.06 64.16,99.06 63.6,99.63 63.6,99.64 63.32,99.92 62.16,99.92 61.93,100.15 60.62,100.15 60.41,100.36 57.06,100.36 56.45,99.75 54.97,99.75 54.08,98.86 53.75,98.86 53.12,98.22 52.76,98.22 U4.A4
CTP_NRESET: length 49.7
  Top w0.152: v1(83.24,99.31) 83.13,99.42 v1(78.79,99.42) 76.76,99.42 76.54,99.64 J10.4 ; v1(78.79,93.24) 78.74,93.29 77.04,93.29 76.66,93.68 72.09,93.68 72.01,93.6 70.26,93.6 65.38,98.48 65.38,99.68 64.4,100.66 64.19,100.66 62.76,102.08 62.69,102.08 62.61,102.16 59.69,102.16 59.13,101.6 58.65,101.6 57,99.95 56.11,99.95 55.14,98.98 v1(55.14,98.6)
  Bottom w0.152: v1(83.24,99.31) 83.98,99.31 R52.1 ; v1(78.79,99.42) v1(78.79,93.24) ; v1(55.14,98.6) 55.1,98.55 53.89,98.55 U4.A3
I2C2_SCL: length 267.9
  Top w0.152: v1(59.05,64.74) 58.85,64.54 50.64,64.54 50.61,64.52 48.38,64.52 46.6,62.74 35.28,62.74 35.03,62.48 v1(30.73,62.48) 21.34,62.48 20.32,63.5 20.32,65.53 19.6,66.25 v1(14.72,66.25) ; v1(78.54,102.08) 78.54,103.16 J10.8 ; v1(78.77,114.63) 95.05,114.63 v1(95.15,114.73) ; v1(67.11,100.89) 69.14,100.89 70.84,99.19 76.63,99.19 76.96,98.86 v1(78.28,98.86) ; v1(59.26,61.32) 59.33,61.39 64.34,61.39 68.58,57.15 v1(73.66,57.15)
  In3.Cu w0.152: v1(3.78,103.56) 2.46,102.24 2.46,97.66 5.54,94.59 5.54,93.27 19.33,79.48 v1(29.97,79.48)
  Bottom w0.09: U4.C5 51.57,96.39 52.01,96.84 52.01,97.99
  Bottom w0.152: v1(67.11,100.89) 66.29,100.89 65,99.59 64.01,99.59 63.42,100.18 62.27,100.18 62.04,100.41 60.72,100.41 60.49,100.63 56.98,100.63 56.34,100 54.87,100 53.98,99.11 53.65,99.11 53.01,98.48 52.58,98.48 52.55,98.5 52.04,97.99 52.01,97.99 ; v1(29.97,79.48) 30.73,78.71 v1(30.73,62.48) ; v1(95.15,114.73) 95.15,115.06 95.63,115.54 95.63,123.7 95.01,124.32 U19.12 ; U10.7 3.86,103.64 v1(3.78,103.56) ; U26.14 11.59,71.52 13.07,70.04 13.43,70.04 14.67,68.79 14.67,67.37 14.57,67.27 14.57,66.4 v1(14.72,66.25) ; 78.54,101.85 v1(78.54,102.08) ; 78.54,101.85 78.54,101.47 78.28,101.22 v1(78.28,98.86) 78.28,83.59 77.61,82.92 77.61,76.85 J13.2 77.47,74.67 R24.2 76.45,71.95 76.45,68.59 73.66,65.79 73.66,61.45 73.66,61.44 v1(73.66,57.15) ; 78.54,101.85 78.54,105.92 77.22,107.24 77.22,113.08 v1(78.77,114.63) ; v1(59.05,64.74) 59.26,64.54 v1(59.26,61.32) 58.95,61.32 58.85,61.21 55.17,61.21 53.95,59.99 U9.13
I2C2_SDA: length 269.9
  Top w0.152: v1(77.75,93.8) 76.89,93.8 76.76,93.93 70.46,93.93 65.68,98.7 65.68,99.73 65.38,100.04 65.38,100.13 63.1,102.41 54.53,102.41 51.73,99.61 51.73,98.59 51.57,98.42 v3(51.57,97.03) ; v1(59.28,60.66) 59.36,60.73 64.26,60.73 64.26,60.71 68.33,56.64 v1(73.41,56.64) ; v1(94.56,115.24) 94.51,115.19 v1(78.56,115.19) ; v1(59.84,64.92) 59.59,65.18 54.72,65.18 54.34,64.8 48.01,64.8 46.2,62.99 v1(31.24,62.99) 21.59,62.99 20.83,63.75 20.83,65.79 19.75,66.86 v1(14.98,66.86) ; v1(77.57,102.13) 77.57,103.13 J10.6
  In3.Cu w0.152: v1(3.17,104.01) 2.11,102.95 2.11,97.38 5.13,94.36 5.13,93.17 19.22,79.07 31.09,79.07 v1(31.24,78.92)
  Bottom w0.152: v1(3.17,104.01) 3.36,104.2 U10.8 ; v1(31.24,78.92) v1(31.24,62.99) ; U19.13 94.19,123.67 94.44,123.42 94.56,123.42 95.15,122.83 95.15,115.82 v1(94.56,115.24) ; v1(59.84,64.92) 59.84,61.21 v1(59.28,60.66) 55.7,60.66 55.68,60.68 54.45,59.45 U9.14 ; U26.13 12.09,71.51 13.16,70.44 13.71,70.44 15.05,69.1 15.05,66.94 v1(14.98,66.86) ; v1(78.56,115.19) 78.56,115.09 76.86,113.39 76.86,106.93 77.57,106.22 v1(77.57,102.13) 77.57,101.4 77.75,101.22 v1(77.75,93.8) 77.75,83.69 76.78,82.73 76.78,79.32 73.91,76.45 J13.1 73.91,74.49 R23.2 73.3,70.82 73.3,63.08 73.15,62.93 73.15,56.9 v1(73.41,56.64)
I2S_CKIN: length 97.7
  Top w0.09: 42.87,95.08 43.91,95.08 v3(44.37,94.63)
  Top w0.152: v1(38,124.94) 43.1,124.94 44.15,125.98 77.29,125.98 80.52,122.76 84.51,122.76 86.74,124.99 v1(90.86,124.99) ; v1(38.25,97.54) 39.75,97.54 40.67,96.62 41.17,96.62 42.71,95.08 42.87,95.08
  Bottom w0.152: TP14.1 90.86,129.59 v1(90.86,124.99) 90.88,124.97 U19.11 ; v1(38.25,97.54) 38.25,109.75 38,110.01 38,112.19 38.19,112.38 38.19,124.75 v1(38,124.94)
JOY_X: length 124.4
  Top w0.152: v1(57.75,92.06) 57.75,92.66 58.11,93.02 58.52,93.02 58.95,93.45 62.63,93.45 v1(63.36,92.71) ; v1(66.65,73.58) 66.65,74.07 v1(63.5,77.22) ; v1(24.94,42.24) 24.97,42.27 57.43,42.27 59.61,44.45 v1(65.74,44.45)
  Bottom w0.09: U4.L5 51.57,90.09 51.91,90.44 51.91,90.74 52.24,91.07 52.34,91.07 52.37,91.05 53.22,91.05 53.59,91.41 53.59,91.63 53.76,91.81 55.06,91.81
  Bottom w0.152: v1(66.65,73.58) 66.29,73.23 66.29,72.71 66.47,72.53 66.47,72.2 66.29,72.02 66.29,51.13 65.74,50.57 v1(65.74,44.45) ; v1(63.5,77.22) 63.1,77.61 63.1,91.91 63.36,92.17 v1(63.36,92.71) ; SW2.6 25.15,57.65 C96.1 24.65,42.53 v1(24.94,42.24) ; v1(57.75,92.06) 57.65,92.16 56.15,92.16 55.8,91.81 55.06,91.81
JOY_Y: length 127.8
  Top w0.152: v1(72.39,67.82) 70.18,67.82 70.14,67.86 66.94,67.86 66.8,68 v1(58.52,68) ; v1(15.16,43.26) 15.39,43.03 57.63,43.03 60.55,45.95 65.61,45.95 65.78,45.78 69.56,45.78 v1(69.67,45.67)